# Altium PCB PCB.PcbDoc
Units mm, origin at the board's own origin, x right, y up, seen from the top; angles counter-clockwise.
Board outline 65 x 56 mm, 4 copper layers (L01_SIG, L02_GND, L03_SIG, L04_GND), stack 0.603 mm thick; 100 components, 76 nets, 332 pads, 253 vias.
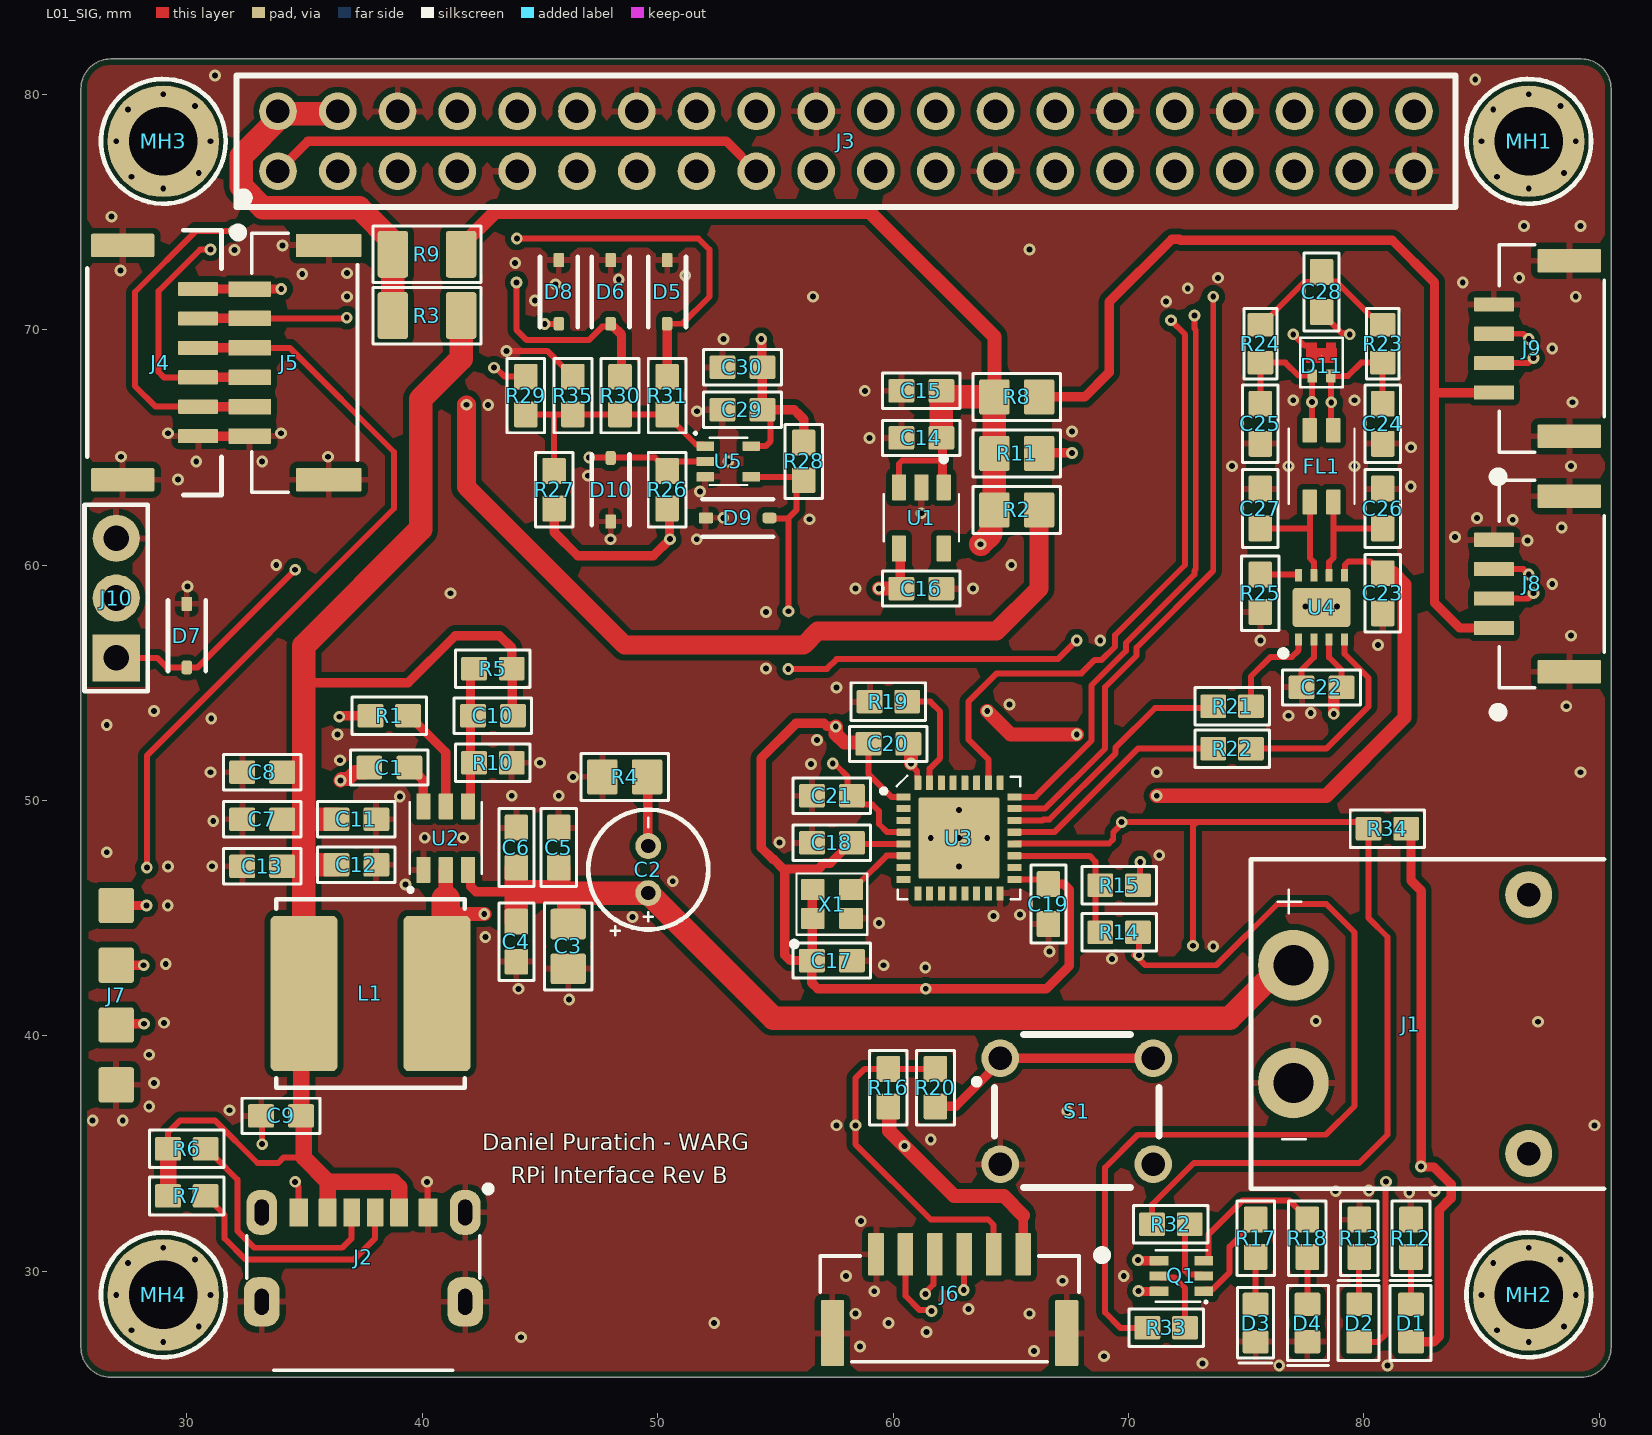
[diagram p0: L01_SIG view]
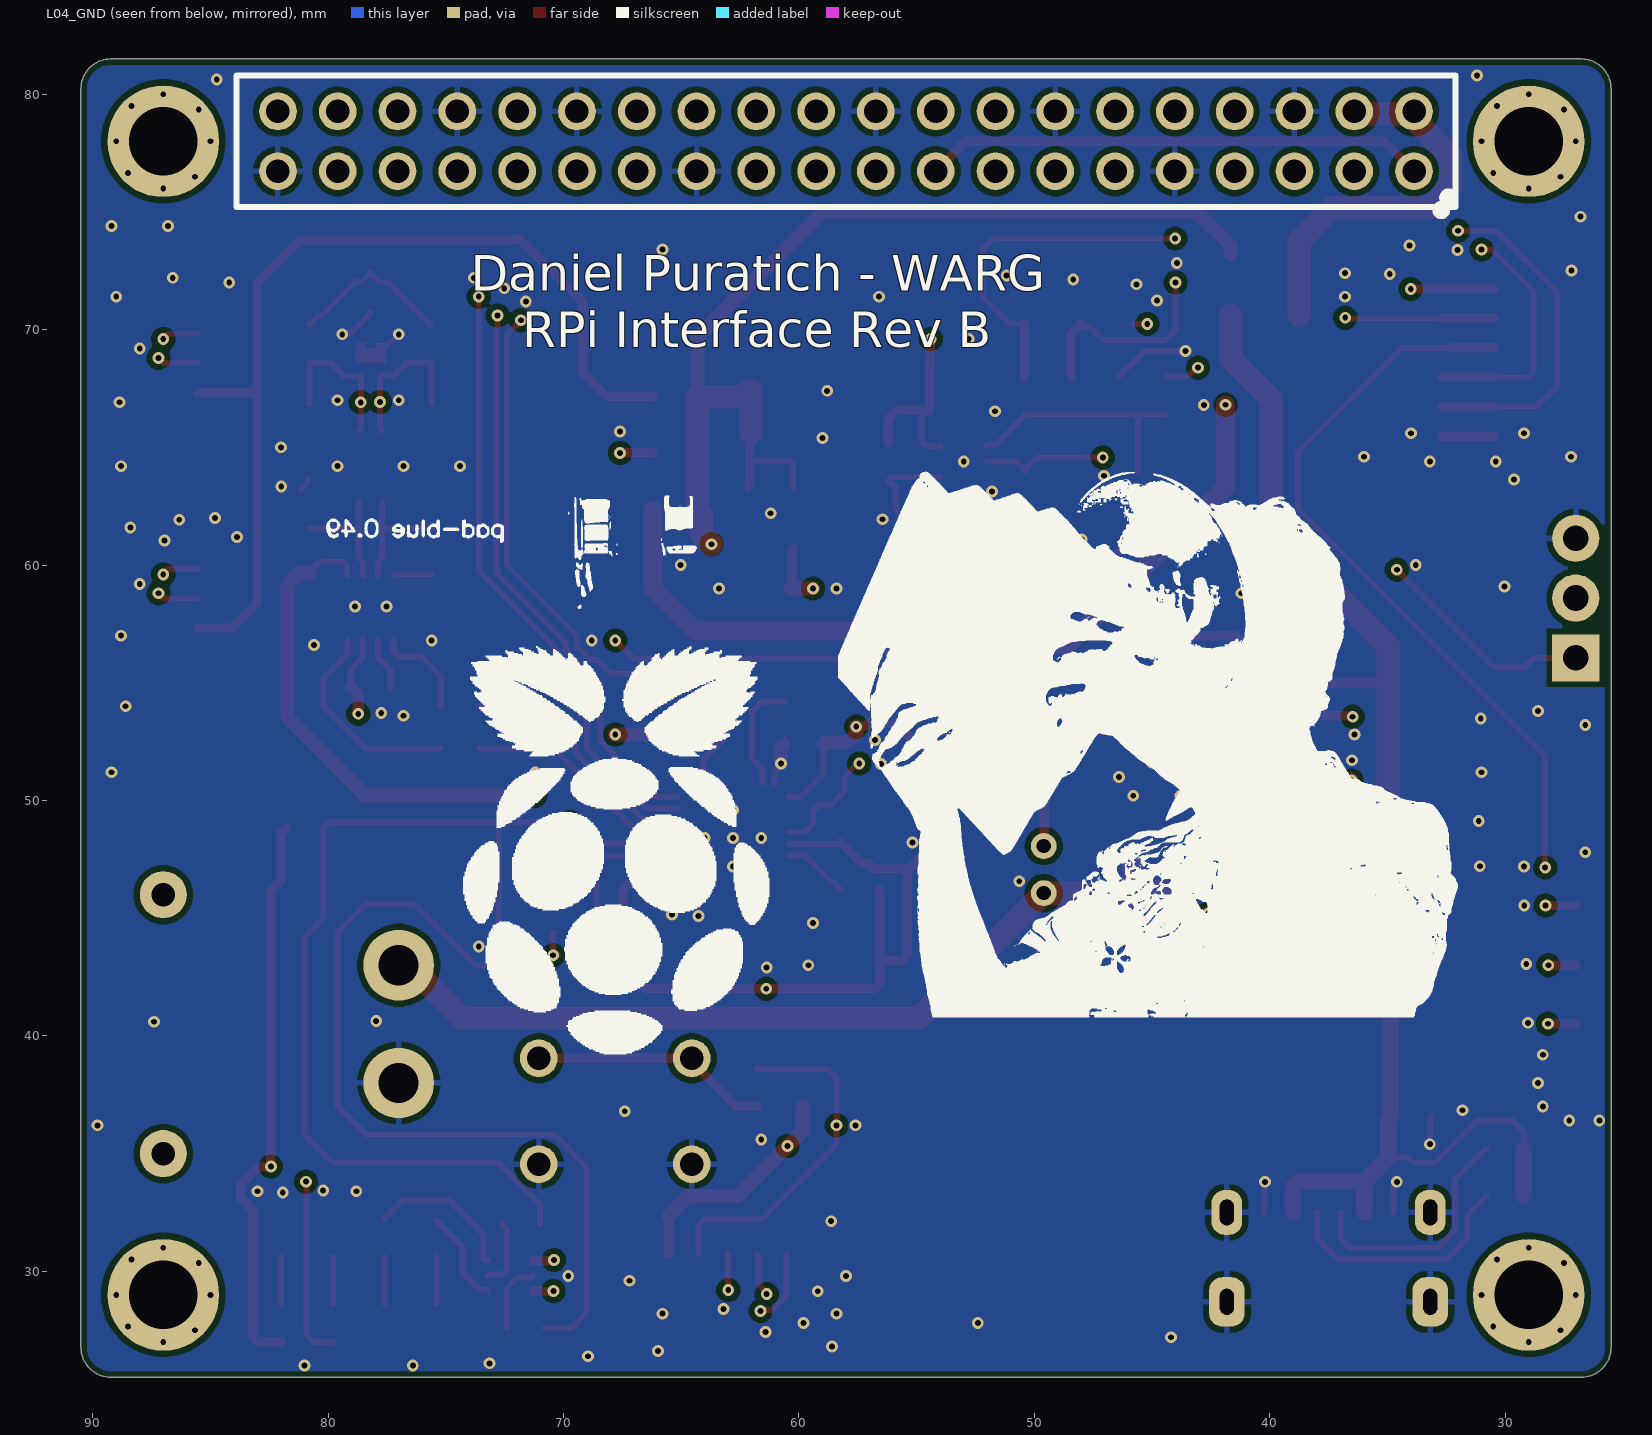
[diagram p1: L04_GND view, seen from below]
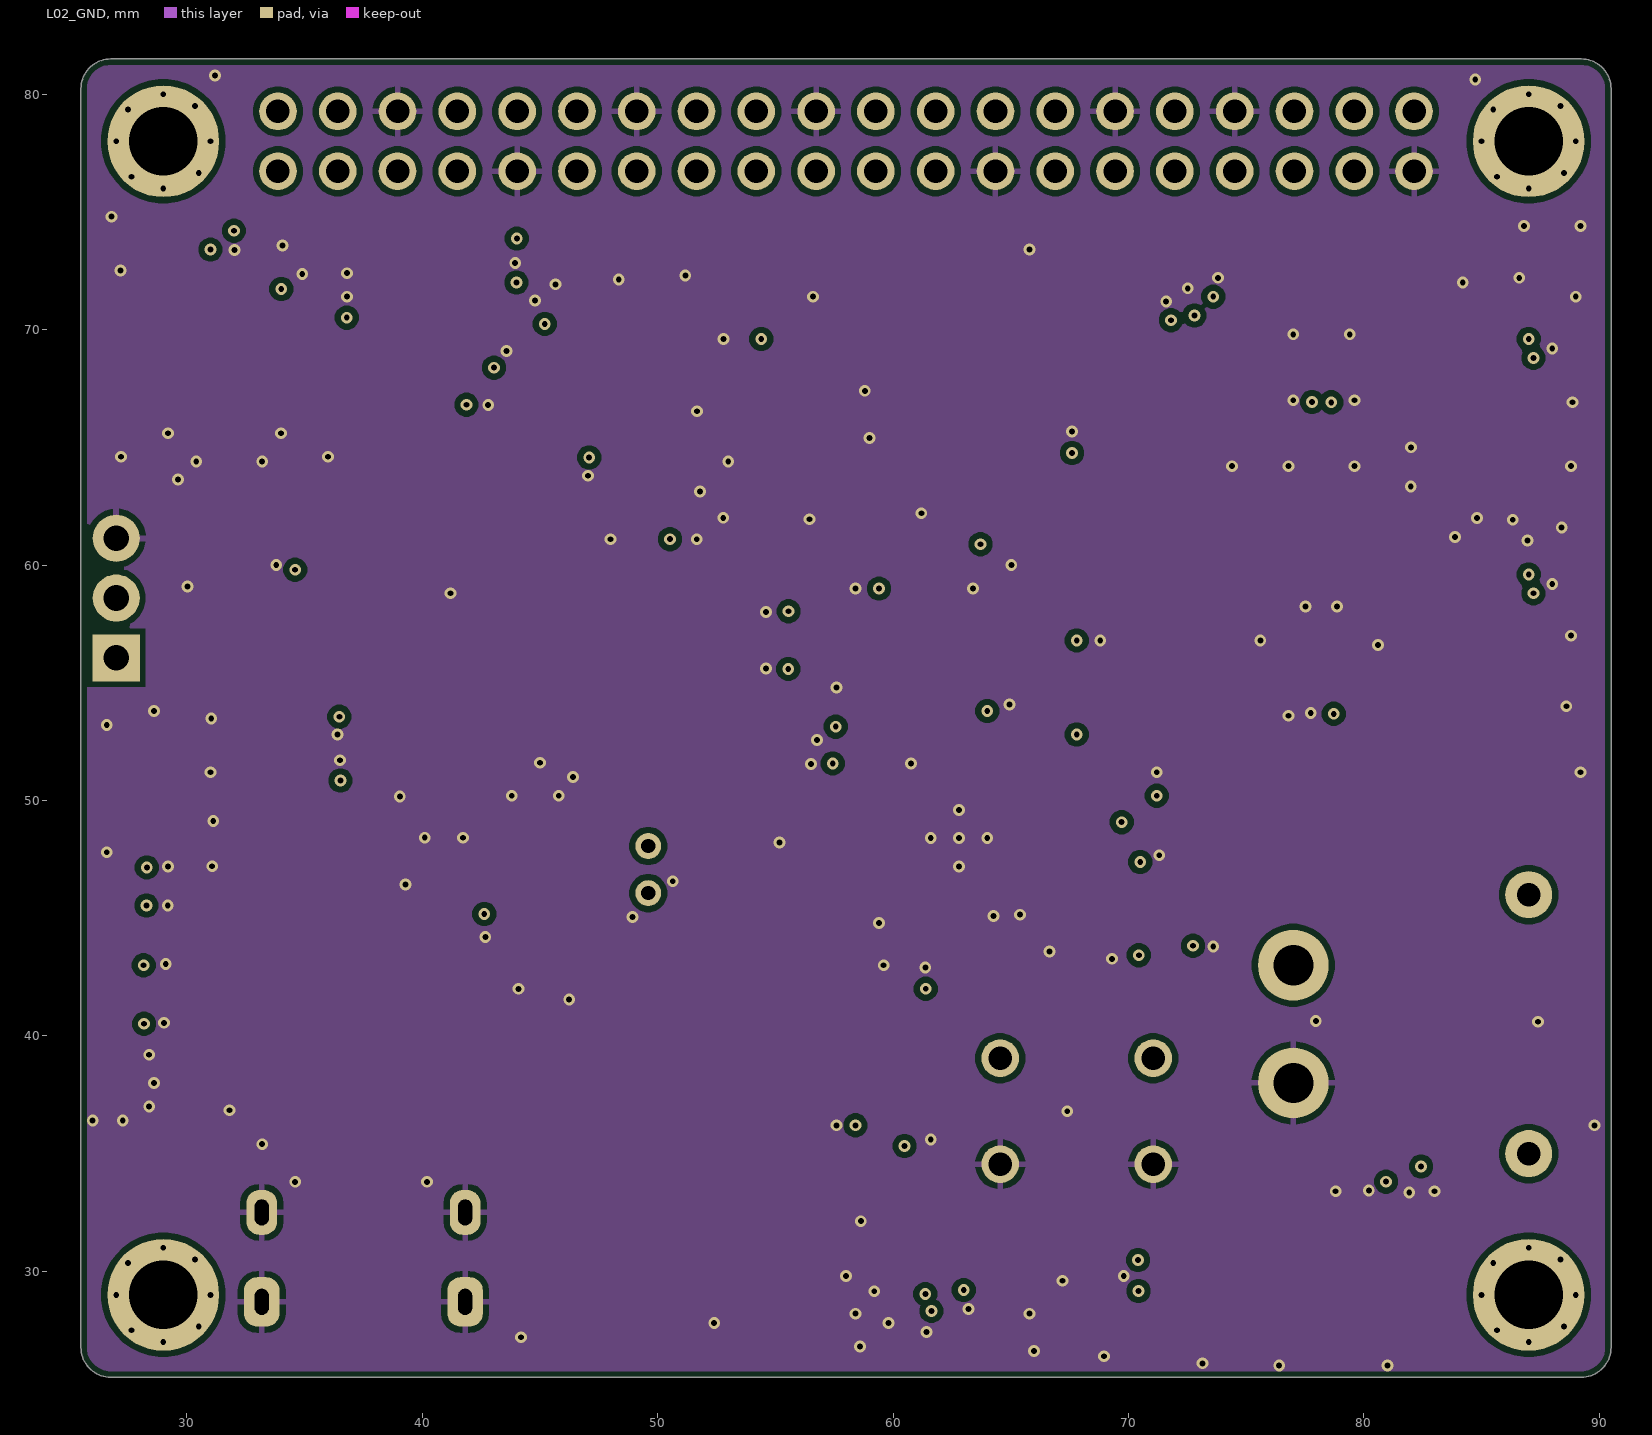
[diagram p2: L02_GND]
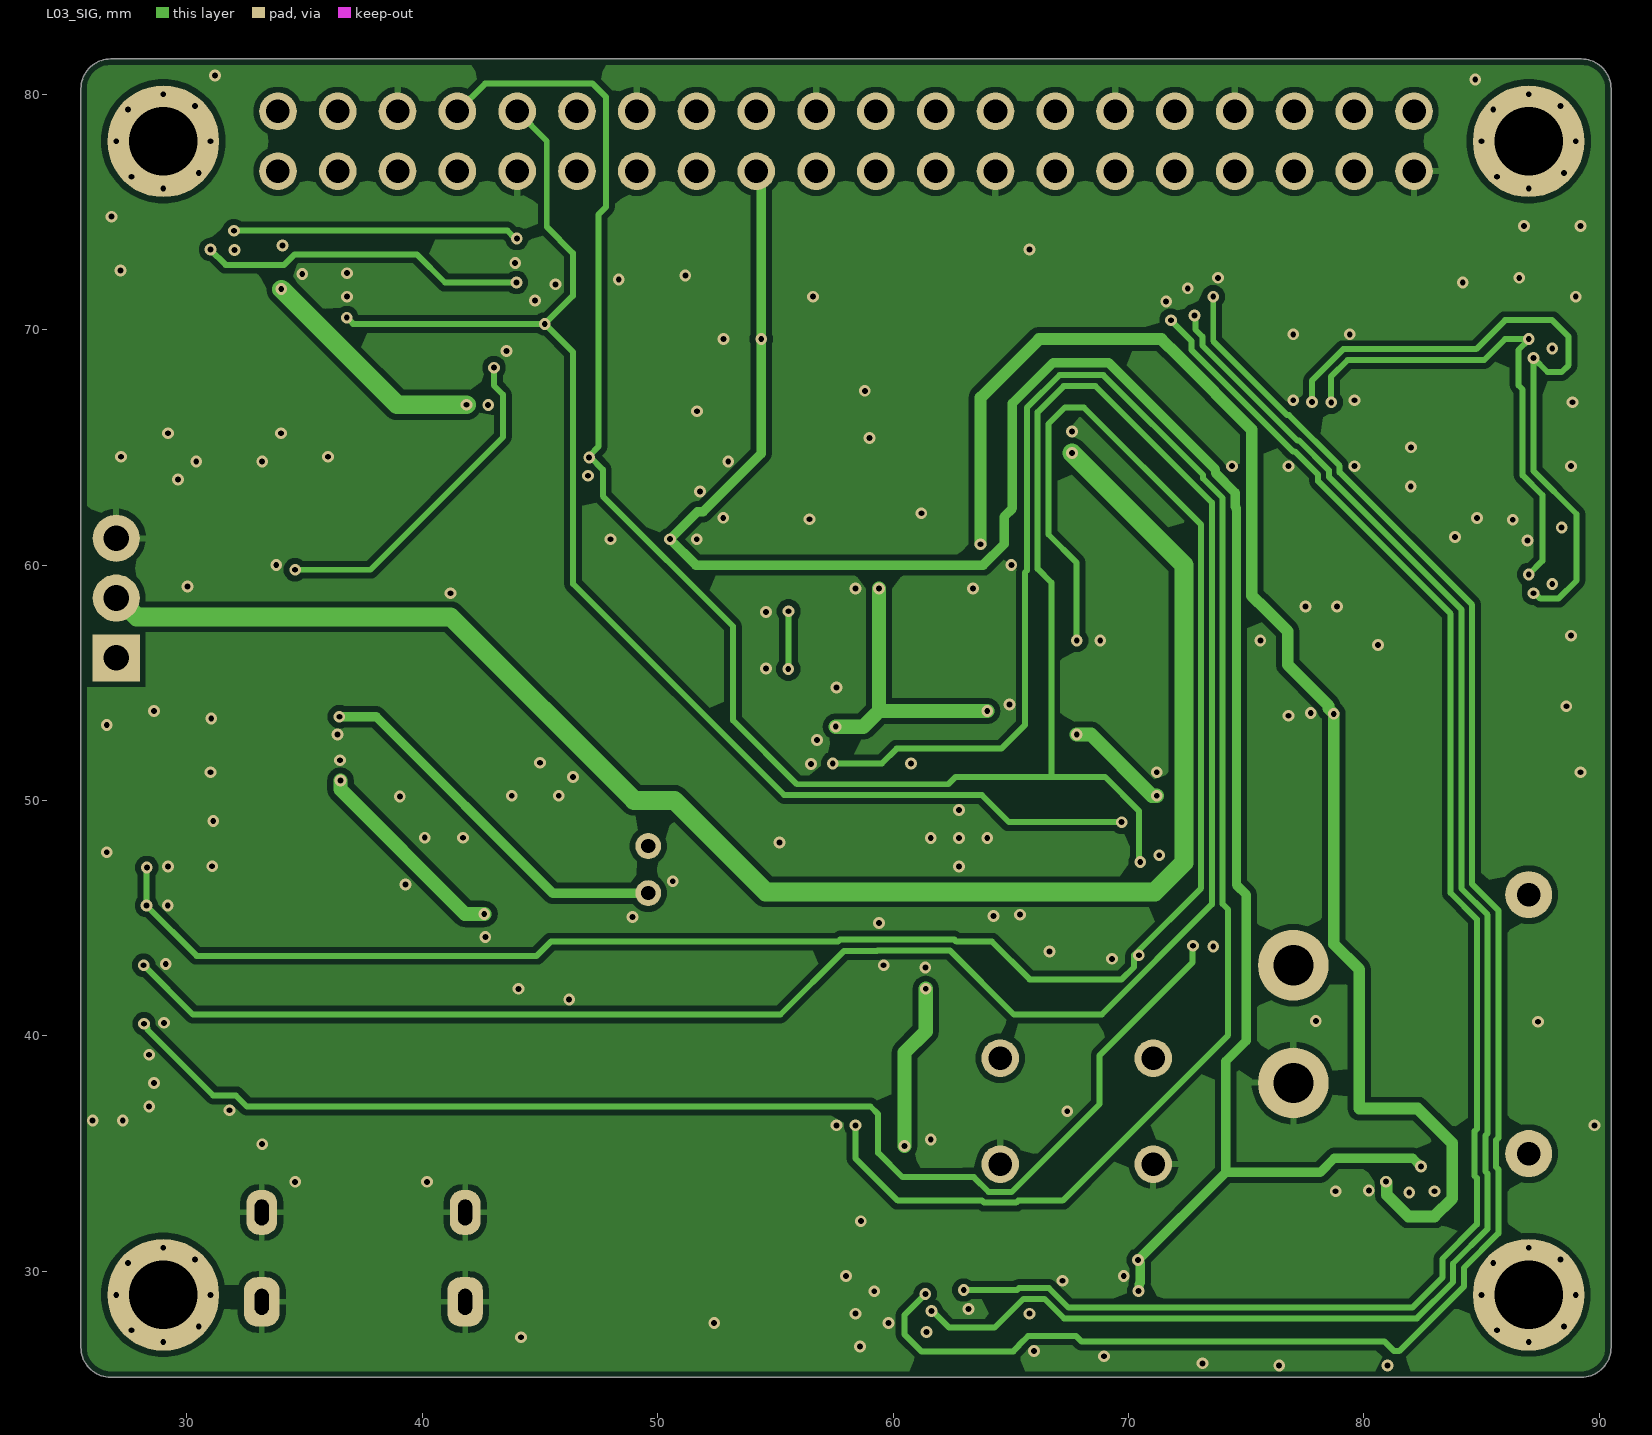
[diagram p3: L03_SIG]
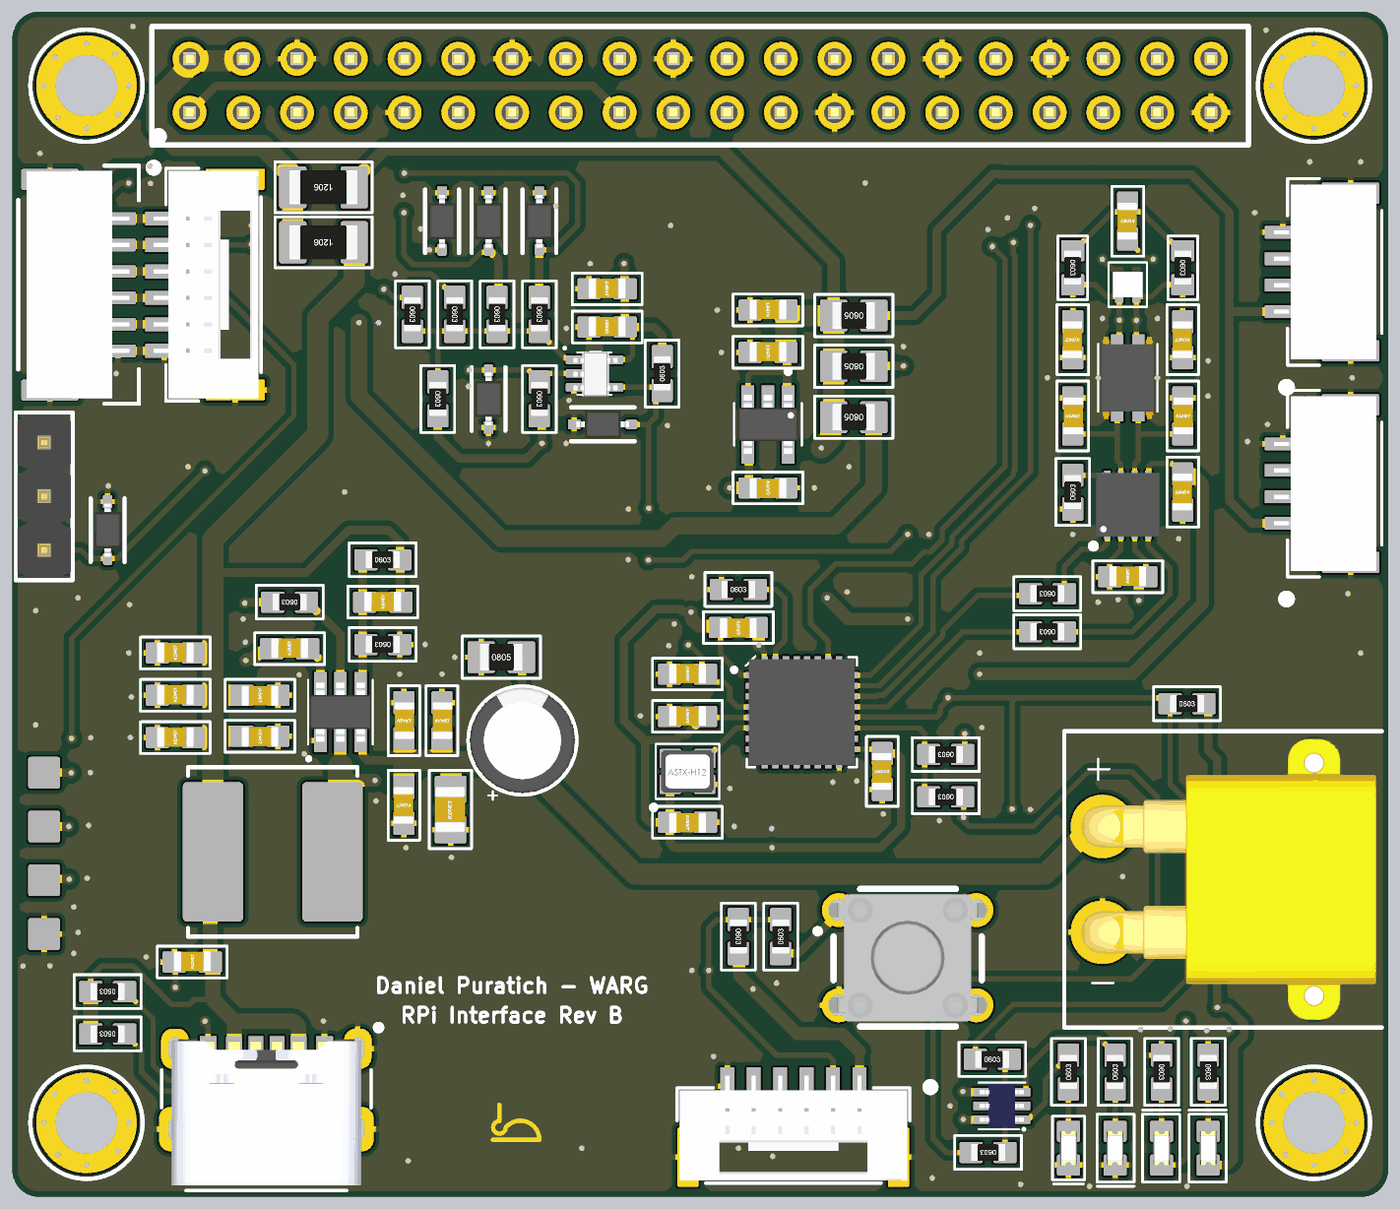
[diagram p4: 3D render of the assembled board from above, using the file's embedded part models]

## Layer stack, top to bottom
Top Solder: solder mask 0.0102, Solder Resist, Dk 3.5
L01_SIG: signal copper 0.0356
Dielectric 1: prepreg 0.0711, PP-006, Dk 4.1
L02_GND: signal copper 0.035
Core: dielectric 0.32, FR-4, Dk 4.8
L03_SIG: signal copper 0.035
Dielectric 2: prepreg 0.0711, PP-006, Dk 4.1
L04_GND: signal copper 0.0356
Bottom Solder: solder mask 0.0102, Solder Resist, Dk 3.5

## Board outline
26.77,25.5 cw(c26.77,26.77) 25.5,26.77 25.5,80.23 cw(c26.77,80.23) 26.77,81.5 89.23,81.5 cw(c89.23,80.23) 90.5,80.23 90.5,26.77 cw(c89.23,26.77) 89.23,25.5

## Design rules (kind name [scope] priority, off if disabled: settings)
BoardOutlineClearance [All] p1: gap=0.254 ignorepadtopadclearanceinfootprint=FALSE except(0: Arc-SplitContinuation Track-SplitContinuation SMDPad-SplitContinuation THPad-SplitContinuation Via-SplitContinuation Fill-SplitContinuation Poly-SplitContinuation Region-SplitContinuation Text-SplitContinuation)
Clearance [All] p1: gap=0.254 ignorepadtopadclearanceinfootprint=FALSE except(0.076: SMDPad-SMDPad; 0.127: Arc-SMDPad Track-SMDPad; 0.203: Arc-Arc Arc-Track Track-Track)
PolygonConnect [All] p1: connectstyle=Relief reliefconductorwidth=0.254 reliefentries=4 polygonreliefangle="90 Angle" airgapwidth=0.254
RoutingVias [All] p1: holewidth=0.711 width=1.27 viastyle="Through Hole" minholewidth=0.711 minwidth=1.27 maxholewidth=0.711 maxwidth=1.27
SolderMaskExpansion [All] p1: expansion=0.102 istentingtop=FALSE
SupplyNets "Schematic Supply Nets_9" [InNet('PDB_12V0')] p1: voltage=0.000
SupplyNets "Schematic Supply Nets_8" [InNet('FC_3V3')] p2: voltage=0.000
SupplyNets "Schematic Supply Nets_7" [InNet('RPI_5V0')] p3: voltage=0.000
SupplyNets "Schematic Supply Nets_6" [InNet('GND')] p4: voltage=0.000
SupplyNets "Schematic Supply Nets_5" [InNet('FC_5V0')] p5: voltage=0.000
SupplyNets "Schematic Supply Nets_4" [InNet('FCG_5V')] p6: voltage=0.000
SupplyNets "Schematic Supply Nets_3" [InNet('RPI_3V3')] p7: voltage=0.000
SupplyNets "Schematic Supply Nets_2" [InNet('PDB_5V3')] p8: voltage=0.000
SupplyNets "Schematic Supply Nets_1" [InNet('FCU_5V')] p9: voltage=0.000
SupplyNets "Schematic Supply Nets" [InNet('FCC_5V')] p10: voltage=0.000
Width [All] p1: maxlimit=5 minlimit=0.254 preferedwidth=0.254 minimp=50.000000 maximp=50.000000 favimp=50.000000
30 further rules are at their usual default settings.

## Components (designator, comment, footprint, x,y, rotation, side; value= is the part's Value field where it differs from the comment)
C1 "CL10B104KA8NNNC" .CAP_0603-Footprint-1 38.6,51.4 r0 top
C2 "ECE-A1EKA220" ECE-A1EKA220-Footprint-1 49.6,47.064 r90 top
C3 "GRM21BR61H106KE43L" .CAP_0805-Footprint-1 46.2,43.8 r90 top value=10uF
C4 "GRT188R61H105KE13D" .CAP_0603-Footprint-1 44,44 r90 top
C5 "CGA3E2X7R1H104K080AA" .CAP_0603-Footprint-1 45.8,48 r270 top value=100nF
C6 "GCM188R71H103KA37D" .CAP_0603-Footprint-1 44,48 r270 top
C7 "GRM188R61E106KA73J" .CAP_0603-Footprint-1 33.2,49.2 r0 top value=10uF
C8 "GRM188R61E106KA73J" .CAP_0603-Footprint-1 33.2,51.2 r0 top value=10uF
C9 "GRM188R61E106KA73J" .CAP_0603-Footprint-1 34,36.6 r0 top value=10uF
C10 "GCM1885C2A101JA16D" .CAP_0603-Footprint-1 43,53.6 r0 top value=100pF
C11 "CC0603KRX7R8BB103" .CAP_0603-Footprint-1 37.2,49.2 r180 top
C12 "CL10B104KA8NNNC" .CAP_0603-Footprint-1 37.2,47.263 r180 top
C13 "GCM188R71E105KA64D" .CAP_0603-Footprint-1 33.2,47.2 r0 top
C14 "GRM188C81E475KE11D" .CAP_0603-Footprint-1 61.2,65.4 r0 top value=4.7uF
C15 "GCM188R71E105KA64D" .CAP_0603-Footprint-1 61.2,67.4 r0 top
C16 "GCM188R71E105KA64D" .CAP_0603-Footprint-1 61.2,59 r180 top
C17 "CC0603KRX7R8BB103" .CAP_0603-Footprint-1 57.4,43.2 r180 top
C18 "GRM188Z71A475KE15J" .CAP_0603-Footprint-1 57.4,48.2 r0 top value=4.7uF
C19 "GCM188R71C104KA37D" .CAP_0603-Footprint-1 66.6,45.6 r90 top value=0.1uF
C20 "GCM188R71C104KA37D" .CAP_0603-Footprint-1 59.8,52.4 r180 top value=0.1uF
C21 "GCJ188R71E104KA12D" .CAP_0603-Footprint-1 57.4,50.2 r0 top value=0.1uF
C22 "CL10B104KA8NNNC" .CAP_0603-Footprint-1 78.2,54.8 r0 top
C23 "GCM188R71C104KA37D" .CAP_0603-Footprint-1 80.8,58.8 r90 top value=0.1uF
C24 "CC0603JRNPO9BN220" .CAP_0603-Footprint-1 80.8,66 r90 top value=22pF
C25 "CC0603JRNPO9BN220" .CAP_0603-Footprint-1 75.6,66 r90 top value=22pF
C26 "CC0603JRNPO9BN220" .CAP_0603-Footprint-1 80.8,62.4 r270 top value=22pF
C27 "CC0603JRNPO9BN220" .CAP_0603-Footprint-1 75.6,62.4 r270 top value=22pF
C28 "GCM188R71H472KA37D" .CAP_0603-Footprint-1 78.2,71.6 r90 top value=4.7nF
C29 "GCM188R71C104KA37D" .CAP_0603-Footprint-1 53.6,66.6 r0 top value=0.1uF
C30 "GCM188R71E105KA64D" .CAP_0603-Footprint-1 53.6,68.4 r0 top
D1 "LTST-C191KGKT" .LED_0603-Footprint-1 82,27.8 r90 top
D2 "LTST-C191KGKT" .LED_0603-Footprint-1 79.8,27.8 r90 top
D3 "LTST-C194TBKT" LTST-C194TBKT-Footprint-1 75.4,27.8 r270 top
D4 "LTST-C191KRKT" .LED_0603-Footprint-1 77.6,27.8 r270 top
D5 "DESD5V0U1BA-7" DESD5V0U1BA-7-Footprint-1 50.4,71.6 r90 top
D6 "DESD5V0U1BA-7" DESD5V0U1BA-7-Footprint-1 48,71.6 r90 top
D7 "DESD5V0U1BA-7" DESD5V0U1BA-7-Footprint-1 30,57 r90 top
D8 "DESD5V0U1BA-7" DESD5V0U1BA-7-Footprint-1 45.8,71.6 r90 top
D9 "DESD5V0U1BA-7" DESD5V0U1BA-7-Footprint-1 53.4,62 r180 top
D10 "DESD5V0U1BA-7" DESD5V0U1BA-7-Footprint-1 48,63.2 r270 top
D11 "PESD2CANFD24U-QCZ" PESD2CANFD24U-QCZ-Footprint-1 78.2,68.4 r180 top
FL1 "ACT1210D-510-2P-TL00" ACT1210D-510-2P-TL00-Footprint-1 78.2,64.2 r270 top
J1 "XT30PW-M" XT60PW-M-Footprint-1 77,40.5 r270 top
J2 "USB4125-GF-A" USB4125-GF-A-Footprint-1 37.5,31.5 r0 top
J3 "PPPC202LFBN-RC" PPPC202LFBN-RC-Footprint-1 58,78 r0 top locked
J4 "SM06B-GHS-TB" SM06B-GHS-TB 28.2,68.6 r270 top
J5 "BM06B-GHS-TBT" BM06B-GHS-TBT-Footprint-1 35,68.6 r90 top
J6 "BM06B-GHS-TBT" BM06B-GHS-TBT-Footprint-1 62.4,28.4 r0 top
J7 "SOLDERPAD" SOLDERPAD_4PIN-Footprint-1 27,41.73 r0 top
J8 "SM04B-GHS-TB(LF)(SN)" CONN_SM04B-GHS-TB_JST 87.4,59.2 r90 top
J9 "SM04B-GHS-TB(LF)(SN)" CONN_SM04B-GHS-TB_JST 87.4,69.2 r90 top
J10 "61300311121" 61300311121 27,58.6 r90 top
L1 "SRN8040TA-4R7M" SRN8040TA-4R7M-Footprint-1 37.8,41.8 r270 top
MH1 "M2.5HOLE-STANDARD" M2.5HOLE-STANDARD-Footprint-1 87,78 r0 top
MH2 "M2.5HOLE-STANDARD" M2.5HOLE-STANDARD-Footprint-1 87,29 r0 top
MH3 "M2.5HOLE-STANDARD" M2.5HOLE-STANDARD-Footprint-1 29,78 r0 top
MH4 "M2.5HOLE-STANDARD" M2.5HOLE-STANDARD-Footprint-1 29,29 r0 top
Q1 "SSM6P15FU,LF" SSM6N7002KFULF-Footprint-1 72.25,29.8 r90 top
R1 "AC0603FR-1310KL" .RES_0603-Footprint-1 38.6,53.6 r180 top
R2 "RC0805JR-070RL" .RES_0805-Footprint-1 65.253,62.341 r180 top
R3 "RC1206JR-070RL" .RES_1206-Footprint-1 40.2,70.6 r180 top value=0
R4 "RL1220S-R22-F" .RES_0805-Footprint-1 48.6,51 r0 top
R5 "RT0603BRD0759K7L" .RES_0603-Footprint-1 43,55.6 r0 top
R6 "AC0603FR-1310KL" .RES_0603-Footprint-1 30,35.2 r180 top
R7 "AC0603FR-1310KL" .RES_0603-Footprint-1 30,33.2 r180 top
R8 "RC0805JR-070RL" .RES_0805-Footprint-1 65.253,67.141 r180 top
R9 "RC1206JR-070RL" .RES_1206-Footprint-1 40.2,73.2 r180 top value=0
R10 "AC0603FR-1310KL" .RES_0603-Footprint-1 43,51.6 r180 top
R11 "RC0805JR-070RL" .RES_0805-Footprint-1 65.253,64.741 r180 top
R12 "RC0603FR-071KL" .RES_0603-Footprint-1 82,31.4 r270 top value=1k
R13 "RC0603FR-071KL" .RES_0603-Footprint-1 79.8,31.4 r270 top value=1k
R14 "RC0603FR-070RL" .RES_0603-Footprint-1 69.6,44.4 r180 top value=0
R15 "RC0603FR-070RL" .RES_0603-Footprint-1 69.6,46.4 r180 top value=0
R16 "AC0603FR-1310KL" .RES_0603-Footprint-1 59.8,37.8 r270 top
R17 "RC0603FR-07220RL" .RES_0603-Footprint-1 75.4,31.4 r90 top value=220
R18 "RC0603FR-07220RL" .RES_0603-Footprint-1 77.6,31.4 r90 top value=220
R19 "RC0603FR-0710KL" .RES_0603-Footprint-1 59.8,54.2 r0 top value=10k
R20 "RC0603FR-0710RL" .RES_0603-Footprint-1 61.8,37.8 r90 top value=10
R21 "RC0603FR-0710RL" .RES_0603-Footprint-1 74.4,54 r180 top value=10
R22 "RC0603FR-0710RL" .RES_0603-Footprint-1 74.4,52.2 r180 top value=10
R23 "RC0603FR-1360R4L" RES0603 80.8,69.4 r270 top value=60.4R
R24 "RC0603FR-1360R4L" RES0603 75.6,69.4 r270 top value=60.4R
R25 "RC0603FR-0710KL" .RES_0603-Footprint-1 75.6,58.8 r90 top value=10k
R26 "AC0603FR-1310KL" .RES_0603-Footprint-1 50.4,63.2 r270 top
R27 "AC0603FR-1310KL" .RES_0603-Footprint-1 45.6,63.2 r270 top
R28 "AC0603FR-1310KL" .RES_0603-Footprint-1 56.2,64.4 r90 top
R29 "RC0603FR-070RL" .RES_0603-Footprint-1 44.4,67.2 r270 top value=0
R30 "RC0603FR-070RL" .RES_0603-Footprint-1 48.4,67.2 r270 top value=0
R31 "RC0603FR-070RL" .RES_0603-Footprint-1 50.4,67.2 r270 top value=0
R32 "RC0603FR-0710RL" .RES_0603-Footprint-1 71.8,32 r0 top value=10
R33 "RC0603FR-0710RL" .RES_0603-Footprint-1 71.6,27.6 r180 top value=10
R34 "AC0603FR-1310KL" .RES_0603-Footprint-1 81,48.8 r0 top
R35 "RC0603FR-070RL" .RES_0603-Footprint-1 46.4,67.2 r270 top value=0
S1 "TS02-66-70-BK-160-LCR-D" TS02-66-70-BK-160-LCR-D-Footprint-1 67.8,36.8 r0 top
U1 "TLV75533PDBVR" SOT-23-5 61.2,62 r270 top
U2 "TPS565208DDCR" TPS565208DDCR-Footprint-1 41,48.4 r90 top
U3 "STM32L431KCU6" STM32L431KCU6-Footprint-1 62.8,48.4 r0 top
U4 "TJA1051TK/3,118" TJA1051TK_3,118-Footprint-1 78.2,58.2 r90 top
U5 "74LVC1G125GW,125" 74LVC1G125GW,125-Footprint-1 53,64.4 r0 top
X1 "ASDDV-8.000MHZ-LR-T" ASDDV-8.000MHZ-LR-T-Footprint-1 57.4,45.6 r0 top
